# Altium PCB PCB2.PcbDoc (part 2 of 5)
Units mil, origin at the board's own origin, x right, y up, seen from the top; angles counter-clockwise.
Board outline 7251.01 x 4901 mil, 2 copper layers (Top Layer, Bottom Layer); 561 components, 222 nets, 3589 pads, 148 vias.
Unrouted connection lines stored in the file: 457.
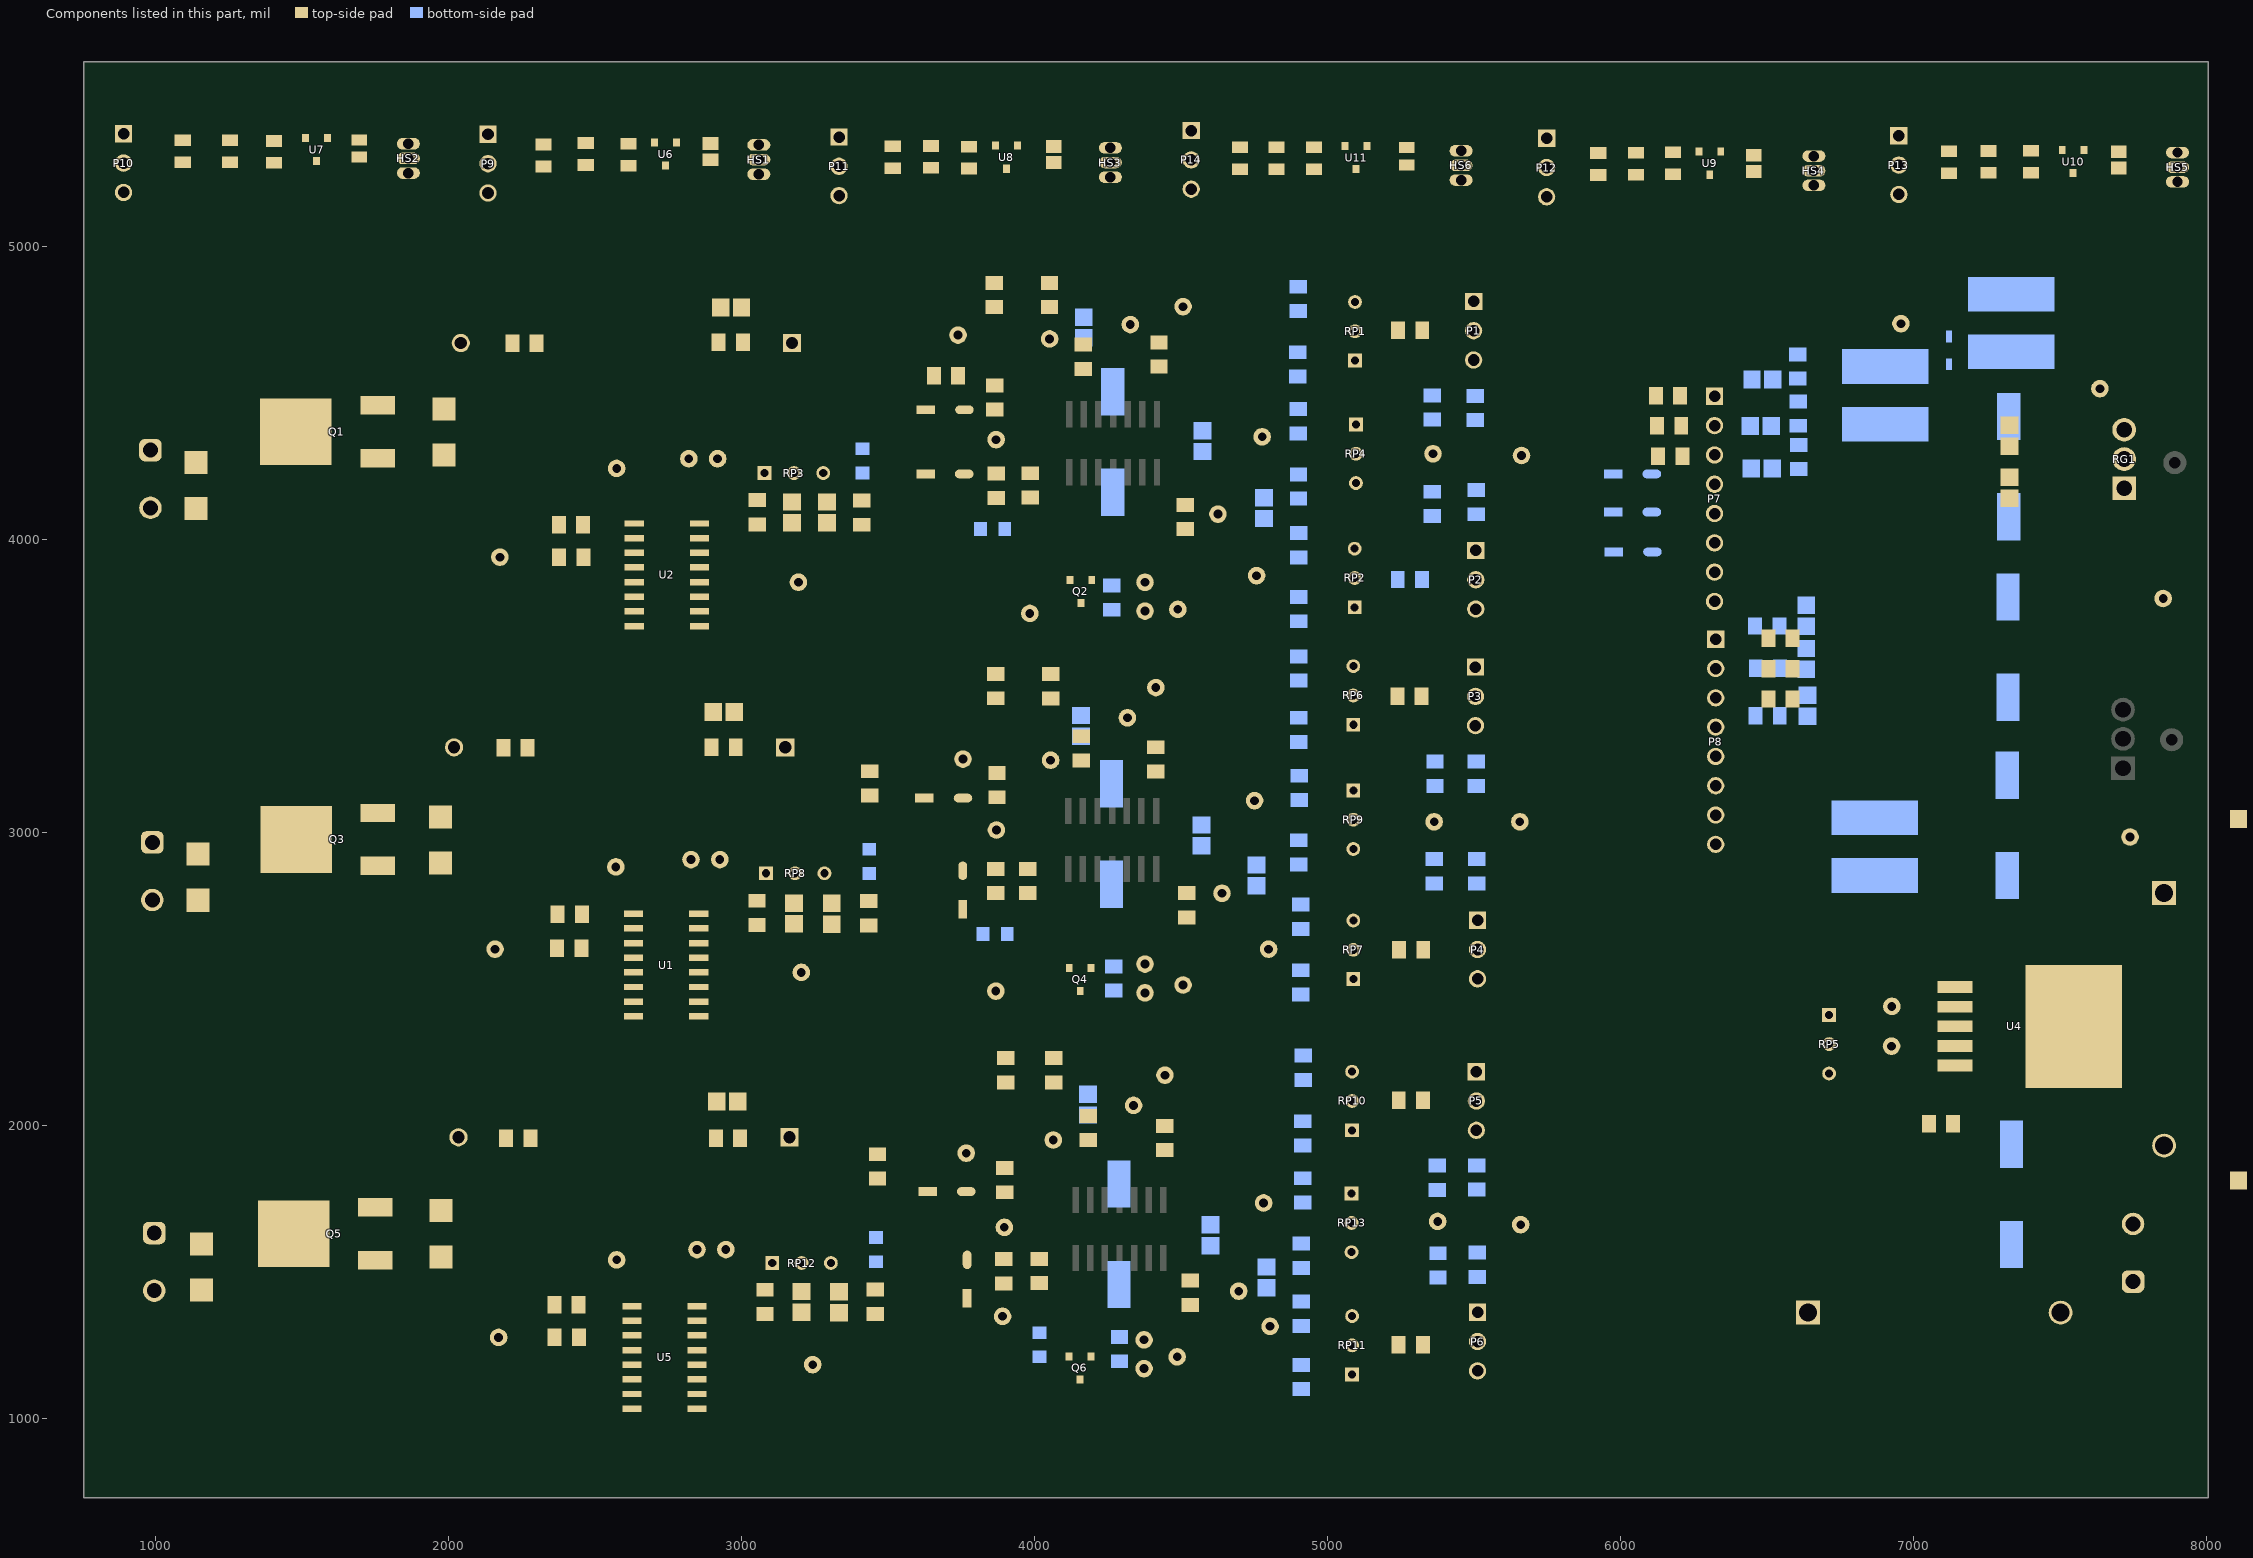
[diagram p2: the components of this part, seen from the top]

## Footprints (in the part's own frame and the unit in brackets; to place one, negate y for a bottom-side part, rotate by r counter-clockwise, add the part's x,y. Pads: shape width x height; smd on the part's side, far side on the other; paste and mask are expansions set on the pad) (continued)
Infineon_Technologies_PG-TO252-3_MFG [mm]
  rect 1.5x2.5 smd paste+0 mask+0: 1(-2.3,-4.575) 3(2.3,-4.575)
  rect 7x7 smd paste+0 mask+0: 4(0,2.325)
  silkscreen extent -3.36,-2.28 3.36,-1.55, body extent -3.61,-5.92 3.61,5.92, height 0.25
Jumper_2.54 [mil]
  round 60 hole 30: 1(0,0) 2(98.43,0)
  silkscreen extent -50,-50 150,50
KEMET_C0805C-DN_IPC_A [mil]
  rect 59.24x61.27 smd paste+0 mask+0: 1(-35.46,0) 2(35.46,0)
  silkscreen extent -65,-46 65,46, body extent -39,-25 39,25, height 35
KEMET_C0805C-DN_IPC_C [mil]
  rect 43.49x53.39 smd paste+0 mask+0: 1(-27.59,0) 2(27.59,0)
  silkscreen extent -49,-44 49,44, body extent -53,-32 53,32, height 10
KEMET_C0805C-DN_MFG [mm]
  rect 0.95x1.35 smd paste+0 mask+0: 1(-0.75,0) 2(0.75,0)
  silkscreen extent -1.1,-1.07 1.1,1.07, body extent -1.4,-0.85 1.4,0.85, height 0.25
Nexperia_TL431AQDBZR,215_0 [mm]
  rect 0.6x0.7 smd paste-1000 mask+0: 1(-0.95,-1) 2(0.95,-1) 3(0,1)
  silkscreen extent -1.45,-0.65 1.45,0.65, body extent -1.6,-1.45 1.6,1.45, height 0.25
ON_Semi_403D_MFG [mm]
  rect 2x2 smd paste+0 mask+0: 1(-2,0) 2(2,0)
  silkscreen extent -2.28,-1.46 2.28,1.46, body extent -3.1,-1.56 3.1,1.56, height 0.25
On_Semiconductor_369C_MFG [mm]
  rect 1.6x3 smd paste+0 mask+0: 1(-2.285,-4.3) 3(2.285,-4.3)
  rect 5.8x6.2 smd paste+0 mask+0: 4(0,2.79)
  silkscreen extent -3.36,-2.28 3.36,3.94, body extent -3.46,-5.9 3.46,5.99, height 0.25
ON_Semiconductor_936A-02_MFG [mm]
  rect 1.016x3.05 smd paste+0 mask+0: 1(-3.404,-6.485) 2(-1.702,-6.485) 3(0,-6.485) 4(1.702,-6.485) 5(3.404,-6.485)
  rect 10.66x8.38 smd paste+0 mask+0: 6(0,3.82)
  silkscreen extent -5.12,-8.72 5.12,-0.75, body extent -5.43,-8.11 5.43,8.11, height 0.25
RES_TUM5_OHM [mil]
  rect 62x62 hole 42 mask+0: 1(0,0)
  round 62 hole 42 mask+0: 2(1130,0)
  silkscreen extent 125,-200 1005,200, body extent -16,-195 1146,195, height 390
SOD2512X110N [mm]
  rect 1x0.5 smd: 1(-1.2,0) 2(1.2,0)
  silkscreen extent -1.7,-0.62 0.85,0.62, body extent -1.25,-0.63 1.25,0.63, height 1.1
Test_Point#1 [mil]
  round 60 hole 30: 1(0,0)
  Top Layer lines w10: 0,0 0,-15
  Top Layer lines w30: 0,30.93 cw(c0,0) 30.93,0 cw(c0,0) 30.91,-1 cw(c0,0) 27.04,-15 cw(c0,0) 0,30.93
  Bottom Layer lines w30: -30.9,0 cw(c0,0) -25.53,17.41 cw(c0,0) -23.43,20.15 cw(c0,0) -21.85,21.85 cw(c0,0) 30.9,0 ; -12.22,-10.19 ccw(c-38.41,4.45) -11.57,-8.97 ; 0,-30.9 ccw(c0,0) 30.9,-0.22
Test_Point#2 [mil]
  round 60 hole 30: 1(0,0)
  Top Layer lines w10: 0,-15 0,0
  Top Layer lines w30: 30.93,0 ccw(c0,0) 29.34,9.78 ccw(c0,0) -21.87,21.87 ccw(c0,0) 30.91,-1 ccw(c0,0) 30.93,0
  Bottom Layer lines w30: 30.9,-0.22 cw(c0,0) 1.24,-30.88 cw(c0,0) 0,-30.9 cw(c0,0) -1.5,-30.87 cw(c0,0) 1.5,30.87 cw(c0,0) 30.79,2.66 cw(c0,0) 30.9,0
Test_Point#3 [mil]
  round 60 hole 30: 1(0,0)
  Top Layer lines w10: 0,-15 0,0
  Top Layer lines w30: 30.93,0 cw(c0,0) 11.84,-28.57 cw(c0,0) 0,-30.93 cw(c0,0) -19.91,-23.67 cw(c0,0) -30.93,0 cw(c0,0) 30.93,0
  Bottom Layer lines w30: 30.9,-0.22 cw(c0,0) 30.76,-3 cw(c0,0) 30.9,0
Test_Point#4 [mil]
  round 60 hole 30: 1(0,0)
  Top Layer lines w10: 0,-15 0,0
  Top Layer lines w30: 30.93,0 cw(c0,0) 21.87,21.87 cw(c0,0) 28.04,13.04 cw(c0,0) 30.93,0
  Bottom Layer lines w30: 30.9,-0.22 cw(c0,0) -27.7,-13.7 cw(c0,0) -30.9,0 cw(c0,0) 13.7,27.7 cw(c0,0) 30.9,0
Test_Point#5 [mil]
  round 60 hole 30: 1(0,0)
  Top Layer circle w30: c0,0 r30.93
  Top Layer lines w10: 0,-15 0,0
  Bottom Layer lines w30: 30.9,-0.22 cw(c0,0) 5.74,-30.36 cw(c0,0) -21.85,-21.85 cw(c0,0) -30.45,5.26 cw(c0,0) 30.9,0
Test_Point#6 [mil]
  round 60 hole 30: 1(0,0)
  Top Layer circle w30: c0,0 r30.93
  Top Layer lines w10: 0,-15 0,0
  Bottom Layer lines w30: 30.9,-0.22 cw(c0,0) -1.5,-30.87 cw(c0,0) -27.81,-13.47 cw(c0,0) -30.9,0 cw(c0,0) -30.9,0.5 cw(c0,0) -1.5,30.87 cw(c0,0) 26.34,16.16 cw(c0,0) 30.9,0
Test_Point#7 [mil]
  round 60 hole 30: 1(0,0)
  Top Layer lines w30: 25.9,-16.9 cw(c0,0) 25.5,-17.5 cw(c0,0) 25,-18.2 cw(c0,0) 24.4,-19 cw(c0,0) 21.87,-21.87 cw(c0,0) 20,-23.59 cw(c0,0) 0.31,-30.92 cw(c0,0) 0,-30.93 cw(c0,0) -15,-27.04 cw(c0,0) -21.87,-21.87 ; 0,0 0.1,0 2.07,0 3.36,0 4.74,0 ; -21.87,-21.87 cw(c0,0) -21.88,-21.85 ; -21.88,-21.85 cw(c0,0) -23.53,-20.07 cw(c0,0) -30.93,0 cw(c0,0) -21.87,21.87 cw(c0,0) -15,27.04 cw(c0,0) -1.37,30.9 ; 6.21,-2.85 cw(c-12.98,3.71) 4.01,-7.37 ccw(c-12.98,3.71) 6.21,-2.85 ; 6.21,-2.85 ccw(c-12.98,3.71) 6.77,-0.92 ; 6.21,-2.85 ccw(c-12.98,3.71) 6.77,-0.92 ; 6.77,-0.92 ccw(c-12.98,3.71) 6.96,0 ; 6.77,-0.92 ccw(c-12.98,3.71) 6.96,0 ; 4.74,0 6.96,0 ; 4.74,0 6.96,0 ; 6.96,0 ccw(c-12.98,3.71) 7.02,0.31 ; 6.96,0 ccw(c-12.98,3.71) 7.02,0.31 ; 6.96,0 6.96,0 ; 6.96,0 8,0 6.96,0 ; 6.96,0 6.96,0 ; 6.96,0 6.96,0 ; 6.96,0 6.96,0 ; 6.96,0 6.96,0 ; 6.96,0 6.96,0 ; 7.02,0.31 ccw(c-12.98,3.71) 7.04,6.95 ; 7.02,0.31 ccw(c-12.98,3.71) 7.04,6.95 ; 7.04,6.95 ccw(c-12.98,3.71) 1.36,18.05 cw(c-12.98,3.71) 7.04,6.95 ; 15,27.04 cw(c0,0) 21.87,21.87 ccw(c0,0) 15,27.04 ; 14.99,27.05 cw(c0,0) 15,27.05 ; 14.99,27.05 cw(c0,0) 15,27.05 ; 14.99,27.05 ccw(c0,0) 10.36,29.14 ; 14.99,27.05 ccw(c0,0) 10.36,29.14 ; 15,27.05 ccw(c0,0) 10.36,29.14 ; 15,27.05 ccw(c0,0) 10.36,29.14 ; 10.36,29.14 ccw(c0,0) 1.31,30.9 ; 10.36,29.14 ccw(c0,0) 1.31,30.9 ; -1.37,30.9 cw(c0,0) 0,30.93 ; -1.37,30.9 cw(c0,0) 0,30.93 ; 1.31,30.9 ccw(c0,0) 0,30.93 ; 1.31,30.9 ccw(c0,0) 0,30.93 ; 8.99,-8.25 cw(c-18.26,-20.79) 8.99,-8.25
  Bottom Layer lines w30: -21.85,-21.85 cw(c0,0) -22,-21.7 cw(c0,0) -22.21,-21.49 cw(c0,0) -30.9,0 cw(c0,0) -22,21.7 cw(c0,0) -21.85,21.85 cw(c0,0) -4,30.64 cw(c0,0) -1.37,30.87 cw(c0,0) 0,30.9 cw(c0,0) 10.91,28.91 cw(c0,0) 15,27.02 ; 30.9,-0.22 cw(c0,0) 21.85,-21.85 cw(c0,0) 21.83,-21.88 cw(c0,0) 15,-27.02 cw(c0,0) 1.77,-30.85 cw(c0,0) -21.83,-21.88 ; -21.83,-21.88 cw(c0,0) -21.85,-21.85 ; 30.9,0 ccw(c0,0) 15,27.02 ; 30.9,0 ccw(c0,0) 15,27.02 ; 30.9,0 ccw(c0,0) 15,27.02 ; 30.9,0 ccw(c0,0) 15,27.02
Test_Point#8 [mil]
  round 60 hole 30: 1(0,0)
  Top Layer lines w10: 0,-15 0,-11.5
  Top Layer lines w30: 30.93,0 ccw(c0,0) -5.74,30.39 ccw(c0,0) -20.67,23 ccw(c0,0) -30.73,3.5 ccw(c0,0) -30.93,0 ccw(c0,0) -21.87,-21.87 ccw(c0,0) 0,-30.93 ccw(c0,0) 0.5,-30.92 ccw(c0,0) 1,-30.91 ccw(c0,0) 4,-30.67 ccw(c0,0) 30.93,0
  Bottom Layer lines w30: 30.9,-0.22 cw(c0,0) -30.8,2.5 cw(c0,0) -5.74,30.36 cw(c0,0) 30.9,0
Test_Point#9 [mil]
  round 60 hole 30: 1(0,0)
  Top Layer lines w10: 0,-15 0,-4 0,0
  Top Layer lines w30: 0,-30.93 ccw(c0,0) -30.93,0 ccw(c0,0) -30.67,-4 ccw(c0,0) 0,-30.93
  Bottom Layer lines w30: 30.9,-0.22 cw(c0,0) 30.74,-3.12 cw(c0,0) 0,-30.9 cw(c0,0) -5.74,-30.36 cw(c0,0) 30.9,0
Test_Point#10 [mil]
  round 60 hole 30: 1(0,0)
  Top Layer lines w10: 0,0 0,-15
  Top Layer lines w30: -28.04,13.04 cw(c0,0) -28,13.13 cw(c0,0) -27.92,13.29 cw(c0,0) -27.88,13.38 cw(c0,0) -25.96,16.8 cw(c0,0) -22.7,21 ; -27.87,13.29 ccw(c13.87,-6.12) -27.88,13.27 ccw(c13.87,-6.12) -27.98,13.04 ccw(c13.87,-6.12) -28,13 ccw(c13.87,-6.12) -31.53,1.44 ccw(c13.87,-6.12) -31.75,0 ccw(c13.87,-6.12) -31.83,-0.6 ccw(c13.87,-6.12) -31.93,-1.5 ccw(c13.87,-6.12) -32.06,-3.06 ccw(c13.87,-6.12) -28.07,-25.07 ccw(c13.87,-6.12) -28,-25.24 ccw(c13.87,-6.12) -24.9,-30.93 ; 0,-30.93 ccw(c0,0) 21.87,-21.87 ccw(c0,0) 28,-13.13 ccw(c0,0) 30.88,-1.63 ccw(c0,0) 30.93,0 ccw(c0,0) 28,13.13 ccw(c0,0) 22.7,21 ccw(c0,0) -19.87,23.7 ccw(c0,0) -20.2,23.42 ccw(c0,0) -21.87,21.87 ccw(c0,0) -22.08,21.65 ; -24.9,-30.93 ccw(c13.87,-6.12) -18.68,-38.66 ; -24.9,-30.93 ccw(c13.87,-6.12) -18.68,-38.66 ; -24.9,-30.93 ccw(c13.87,-6.12) -18.68,-38.66 ; -24.9,-30.93 ccw(c13.87,-6.12) -18.68,-38.66 ; -24.32,-30.93 cw(c3.19,-16.79) -26.97,-23.64 cw(c41.72,-8.06) -28,-18.07 cw(c41.72,-8.06) -28.41,-1.5 cw(c41.72,-8.06) -28.25,0 cw(c41.72,-8.06) -28.07,1.44 cw(c41.72,-8.06) -28,1.95 cw(c41.72,-8.06) -25.48,13.04 cw(c41.72,-8.06) -25.02,14.46 cw(c41.72,-8.06) -23.54,18.43 cw(c41.72,-8.06) -23.02,19.7 cw(c41.72,-8.06) -22.38,21.14 ; -24.32,-30.93 ccw(c3.19,-16.79) -18.68,-38.66 ; -24.32,-30.93 ccw(c3.19,-16.79) -18.68,-38.66 ; -24.32,-30.93 ccw(c3.19,-16.79) -18.68,-38.66 ; -24.32,-30.93 ccw(c3.19,-16.79) -18.68,-38.66 ; -22.7,21 cw(c0,0) -22.2,21.53 ; -22.7,21 cw(c0,0) -22.2,21.53 ; -22.7,21 cw(c0,0) -22.2,21.53 ; -22.7,21 cw(c0,0) -22.2,21.53 ; -22.38,21.14 cw(c41.72,-8.06) -22.2,21.53 ; -22.38,21.14 cw(c41.72,-8.06) -22.2,21.53 ; -22.38,21.14 cw(c41.72,-8.06) -22.2,21.53 ; -22.38,21.14 cw(c41.72,-8.06) -22.2,21.53 ; -22.19,21.54 cw(c0,0) -22.19,21.55 ; -22.19,21.55 cw(c0,0) -22.09,21.64 ; -22.2,21.53 cw(c41.72,-8.06) -22.15,21.64 ; -22.2,21.53 cw(c41.72,-8.06) -22.15,21.64 ; -22.2,21.53 cw(c41.72,-8.06) -22.15,21.64 ; -22.2,21.53 cw(c41.72,-8.06) -22.15,21.64 ; -22.2,21.53 cw(c0,0) -22.19,21.54 ; -22.2,21.53 cw(c0,0) -22.19,21.54 ; -22.2,21.53 cw(c0,0) -22.19,21.54 ; -22.2,21.53 cw(c0,0) -22.19,21.54 ; -22.09,21.64 cw(c0,0) -22.08,21.65
  Bottom Layer lines w30: 30.9,0 ccw(c0,0) 15,27.02 ccw(c0,0) 0,30.9 ccw(c0,0) -22.67,21 ccw(c0,0) -30.9,0 ccw(c0,0) -30.13,-6.87 ccw(c0,0) -25.88,-16.88 ccw(c0,0) -21.85,-21.85 ccw(c0,0) -15.03,-27 ccw(c0,0) 15,-27.02 ccw(c0,0) 30.9,-0.22
Test_Point#11 [mil]
  round 60 hole 30: 1(0,0)
  Top Layer lines w10: 0,-15 0,-9 0,-0.57 0,0
  Top Layer lines w30: 12.02,28.5 cw(c0,0) 15,27.04 cw(c0,0) 24.59,18.75 cw(c0,0) 30.93,0 cw(c0,0) 30.91,-1 cw(c0,0) 21.87,-21.87 cw(c0,0) 21.58,-22.15 cw(c0,0) 16.9,-25.9 cw(c0,0) 15,-27.04 cw(c0,0) 9,-29.59 cw(c0,0) 8,-29.87 cw(c0,0) 7,-30.12 cw(c0,0) 4.65,-30.58 cw(c0,0) 4,-30.67 cw(c0,0) 0,-30.93 cw(c0,0) -30.93,0 cw(c0,0) -12.02,28.5 cw(c0,0) -11,28.9 cw(c0,0) -6,30.34 cw(c0,0) -5,30.52 cw(c0,0) -4,30.67 cw(c0,0) -3.7,30.7 cw(c0,0) 0,30.93 cw(c0,0) 0.5,30.92 cw(c0,0) 2.37,30.84 cw(c0,0) 12,28.5 ; 12,28.5 cw(c0,0) 12.02,28.5
  Bottom Layer lines w30: 30.9,-0.22 cw(c0,0) 22,-21.7 cw(c0,0) 21.85,-21.85 cw(c0,0) 15,-27.02 cw(c0,0) 14,-27.55 cw(c0,0) 9,-29.56 cw(c0,0) 8,-29.85 cw(c0,0) 7,-30.1 cw(c0,0) 0,-30.9 cw(c0,0) -21.85,-21.85 cw(c0,0) -30.89,-1 cw(c0,0) -30.9,0 cw(c0,0) -4.85,30.52 cw(c0,0) 0,30.9 cw(c0,0) 15,27.02 cw(c0,0) 22,21.7 cw(c0,0) 30.9,0
Test_Point#12 [mil]
  round 60 hole 30: 1(0,0)
  Top Layer lines w10: 0,-15 0,0
  Top Layer lines w30: 0,-30.93 ccw(c0,0) 0.69,-30.92 ccw(c0,0) 5.58,-30.42 ccw(c0,0) 30.93,0 ccw(c0,0) 0,-30.93
  Bottom Layer lines w30: 30.9,-0.22 cw(c0,0) 0,-30.9 cw(c0,0) 30.9,0
Test_Point#13 [mil]
  round 60 hole 30: 1(0,0)
  Top Layer lines w10: 0,-15 0,0
  Top Layer lines w30: 0,-30.93 cw(c0,0) -15.55,-26.73 cw(c0,0) -30.93,0 cw(c0,0) 0,-30.93
  Bottom Layer lines w30: 30.9,-0.22 cw(c0,0) 30.9,0
Test_Point#14 [mil]
  round 60 hole 30: 1(0,0)
  Top Layer lines w10: 0,-15 0,0
  Top Layer lines w30: 0,-30.93 cw(c0,0) 19.26,24.2 cw(c0,0) 30.93,0 cw(c0,0) 14.97,-27.06 cw(c0,0) 0,-30.93
  Bottom Layer lines w30: 30.9,-0.22 cw(c0,0) 0,-30.9 cw(c0,0) -30.9,0 cw(c0,0) 30.9,0
Test_Point#15 [mil]
  round 60 hole 30: 1(0,0)
  Top Layer lines w10: 0,0 0,-15
  Top Layer lines w30: 21.87,21.87 ccw(c0,0) 0.5,30.92 ccw(c0,0) -4.06,30.66 ccw(c0,0) -28.04,13.04 ccw(c0,0) -30.93,0 ccw(c0,0) -30.92,-0.5 ccw(c0,0) -30,-7.51 ccw(c0,0) -27.04,-15 ccw(c0,0) 0,-30.93 ; 21.87,21.87 cw(c0,0) 30.92,-0.5 ; 21.87,21.87 cw(c0,0) 30.92,-0.5 ; 30.92,-0.5 cw(c0,0) 0,-30.93 ; 30.92,-0.5 cw(c0,0) 0,-30.93
  Bottom Layer lines w30: -28.02,13.03 cw(c0,0) -24.08,19.37 cw(c0,0) -21.85,21.85 cw(c0,0) -4.04,30.64 cw(c0,0) 0,30.9 cw(c0,0) 21.85,21.85 cw(c0,0) 30.9,0 ; -28.02,13.02 ccw(c0,0) -30.9,0 ccw(c0,0) -30.9,-0.5 ccw(c0,0) -27.02,-15 ccw(c0,0) 0,-30.9 ; 21.85,-21.85 cw(c0,0) 0,-30.9 ; 21.85,-21.85 cw(c0,0) 0,-30.9 ; 21.85,-21.85 ccw(c0,0) 30.9,-0.22 cw(c0,0) 21.85,-21.85
Test_Point#16 [mil]
  round 60 hole 30: 1(0,0)
  Top Layer lines w10: 0,0 0,-15
  Top Layer lines w30: 0,30.93 cw(c0,0) 1.5,30.89 cw(c0,0) 30.91,1 cw(c0,0) 0,-30.93 cw(c0,0) -0.36,-30.92 cw(c0,0) -0.5,30.92 cw(c0,0) 0,30.93
  Bottom Layer lines w30: 30.9,0 ccw(c0,0) 3.7,30.68 ccw(c0,0) 30.9,-0.22
Test_Point#17 [mil]
  round 60 hole 30: 1(0,0)
  Top Layer circle w30: c0,0 r30.93
  Top Layer lines w10: 0,-15 0,0
  Bottom Layer lines w30: 30.9,-0.22 cw(c0,0) 30.64,-4 cw(c0,0) 29.29,-9.85 cw(c0,0) -30.9,0 cw(c0,0) -30.2,6.56 cw(c0,0) 30.9,0
Test_Point#18 [mil]
  round 60 hole 30: 1(0,0)
  Top Layer lines w10: 0,-15 0,0
  Top Layer lines w30: 0,-30.93 ccw(c0,0) 30.93,0 ccw(c0,0) 0,30.93 ccw(c0,0) -30.93,0 ccw(c0,0) -9.18,-29.53 ccw(c0,0) 0,-30.93
  Bottom Layer lines w30: 30.9,-0.22 cw(c0,0) 0,30.9 cw(c0,0) 29.87,7.91 cw(c0,0) 30.9,0
Test_Point#19 [mil]
  round 60 hole 30: 1(0,0)
  Top Layer lines w10: 0,-15 0,0
  Top Layer lines w30: 0,-30.93 ccw(c0,0) 1,-30.91 ccw(c0,0) 8.17,-29.83 ccw(c0,0) 22.81,-20.89 ccw(c0,0) 30.93,0 ccw(c0,0) 30.34,6 ccw(c0,0) -0.37,-30.92 ccw(c0,0) 0,-30.93
  Bottom Layer lines w30: 30.9,-0.22 cw(c0,0) 23.08,-20.55 cw(c0,0) -2,-30.84 cw(c0,0) 30.9,0
Test_Point#20 [mil]
  round 60 hole 30: 1(0,0)
  Top Layer lines w30: 0,-30.93 ccw(c0,0) -30.86,2 ccw(c0,0) -21.32,-22.4 ccw(c0,0) 0,-30.93
  Bottom Layer lines w30: 30.9,-0.22 cw(c0,0) 15,-27.02 cw(c0,0) 2,-30.84 cw(c0,0) 0,-30.9 cw(c0,0) -13,-28.03 cw(c0,0) 15,27.02 cw(c0,0) 30.9,0
Test_Point#21 [mil]
  round 60 hole 30: 1(0,0)
  Top Layer lines w10: 0,-15 0,0
  Top Layer lines w30: 0,-30.93 ccw(c0,0) 1,30.91 ccw(c0,0) 0,-30.93
  Bottom Layer lines w30: 30.9,-0.22 cw(c0,0) 0,-30.9 cw(c0,0) -2,-30.84 cw(c0,0) -2,30.84 cw(c0,0) 21.85,21.85 cw(c0,0) 30.9,0
Test_Point#22 [mil]
  round 60 hole 30: 1(0,0)
  Top Layer lines w30: 0,-30.93 ccw(c0,0) -21.87,-21.87 ccw(c0,0) 0,-30.93
  Bottom Layer lines w30: 30.9,-0.22 cw(c0,0) 30.87,-1.5 cw(c0,0) 28.03,-13 cw(c0,0) 21.85,-21.85 cw(c0,0) -30.9,0 cw(c0,0) 0,30.9 cw(c0,0) 30.9,0
Test_Point#23 [mil]
  round 60 hole 30: 1(0,0)
  Top Layer lines w10: 0,-15 0,0
  Top Layer lines w30: 0,-30.93 ccw(c0,0) 13.29,-27.93 ccw(c0,0) 30.93,0 ccw(c0,0) 0,-30.93
  Bottom Layer lines w30: 30.9,-0.22 cw(c0,0) 26.26,-16.28 cw(c0,0) 0,-30.9 cw(c0,0) 30.9,0
Test_Point#24 [mil]
  round 60 hole 30: 1(0,0)
  Top Layer lines w10: 0,0 0,-15
  Bottom Layer lines w30: 30.9,0 ccw(c0,0) -30.88,-1.13 ; 30.9,-0.22 cw(c0,0) -30.69,-3.63 cw(c0,0) -30.88,-1.16 ; -30.88,-1.16 cw(c0,0) -30.88,-1.13
Test_Point#25 [mil]
  round 60 hole 30: 1(0,0)
  Top Layer lines w10: 0,-15 0,0
  Top Layer lines w30: 0,-30.93 cw(c0,0) -30.91,1 cw(c0,0) 0,-30.93
  Bottom Layer lines w30: 30.9,-0.22 cw(c0,0) 30.9,0
Test_Point#26 [mil]
  round 60 hole 30: 1(0,0)
  Top Layer lines w10: 0,-15 0,0
  Top Layer lines w30: 0,-30.93 cw(c0,0) -30.52,5 cw(c0,0) -21.66,22.07 cw(c0,0) 0,30.93 cw(c0,0) 0.39,30.92 cw(c0,0) 30.93,0 cw(c0,0) 0.63,-30.92 cw(c0,0) 0,-30.93
  Bottom Layer lines w30: 30.9,-0.22 cw(c0,0) 26.46,-15.97 cw(c0,0) 0,-30.9 cw(c0,0) 0,30.9 cw(c0,0) 30.9,0
Test_Point#27 [mil]
  round 60 hole 30: 1(0,0)
  Top Layer lines w10: 0,-15 0,0
  Top Layer lines w30: -0.19,-30.93 cw(c0,0) 30.91,-1 cw(c0,0) 0,-30.93 cw(c0,0) -0.19,-30.93
  Bottom Layer lines w30: 30.9,-0.22 cw(c0,0) -5.74,-30.36 cw(c0,0) 30.9,0
Test_Point#28 [mil]
  round 60 hole 30: 1(0,0)
  Top Layer lines w10: 0,0 0,-15
  Top Layer lines w30: -30.93,0 ccw(c0,0) 0,30.93 ccw(c0,0) -30.93,0
  Bottom Layer lines w30: 30.9,0 ccw(c0,0) -30.9,0 ccw(c0,0) 30.9,-0.22
Test_Point#29 [mil]
  round 60 hole 30: 1(0,0)
  Top Layer lines w10: 0,-15 0,0
  Top Layer lines w30: 0,-30.93 ccw(c0,0) -0.29,30.92 ccw(c0,0) -2,30.86 ccw(c0,0) 0,-30.93
  Bottom Layer lines w30: 30.9,-0.22 cw(c0,0) 0,-30.9 cw(c0,0) -2,-30.84 cw(c0,0) -4,-30.64 cw(c0,0) -4,30.64 cw(c0,0) 30.9,0
Test_Point#30 [mil]
  round 60 hole 30: 1(0,0)
  Top Layer lines w10: 0,-15 0,0
  Top Layer lines w30: 0,-30.93 cw(c0,0) -1.5,-30.89 cw(c0,0) 0,30.93 cw(c0,0) 3.13,30.77 cw(c0,0) 30.67,4 cw(c0,0) 7.76,-29.94 cw(c0,0) 0.5,-30.92 cw(c0,0) 0,-30.93
  Bottom Layer lines w30: 30.9,-0.22 cw(c0,0) 30.9,0
Test_Point#31 [mil]
  round 60 hole 30: 1(0,0)
  Top Layer lines w10: 0,-15 0,0
  Top Layer lines w30: 0,-30.93 ccw(c0,0) -25.55,-17.43 ccw(c0,0) 0,-30.93
  Bottom Layer lines w30: 30.9,-0.22 cw(c0,0) 25.53,17.41 cw(c0,0) 28.48,12 cw(c0,0) 30.76,3 cw(c0,0) 30.9,0
Test_Point#32 [mil]
  round 60 hole 30: 1(0,0)
  Top Layer lines w10: 0,-15 0,0
  Top Layer lines w30: 0,-30.93 ccw(c0,0) 1.63,-30.88 ccw(c0,0) 21.87,-21.87 ccw(c0,0) 30.86,-2 ccw(c0,0) 30.91,1 ccw(c0,0) 0.26,30.92 ccw(c0,0) 0,30.93 ccw(c0,0) -30.71,3.64 ccw(c0,0) -30.91,1 ccw(c0,0) -30.93,0.07 ccw(c0,0) -30.93,0 ccw(c0,0) -30.53,-4.91 ccw(c0,0) -21.87,-21.87 ccw(c0,0) -1.08,-30.91 ccw(c0,0) -0.57,-30.92 ccw(c0,0) 0,-30.93
  Bottom Layer lines w30: 30.9,-0.22 cw(c0,0) 4,-30.64 cw(c0,0) 1.9,-30.84 cw(c0,0) 0,-30.9 cw(c0,0) -1.2,-30.88 cw(c0,0) 30.9,0
Test_Point#33 [mil]
  round 60 hole 30: 1(0,0)
  Top Layer lines w10: 0,-15 0,-8 0,0
  Top Layer lines w30: 0,-30.93 ccw(c0,0) 17.43,25.55 ccw(c0,0) 1.37,30.9 ccw(c0,0) -30.93,0 ccw(c0,0) -30.67,-4 ccw(c0,0) -29.87,-8 ccw(c0,0) 0,-30.93
  Bottom Layer lines w30: 30.9,-0.22 cw(c0,0) 5.74,-30.36 cw(c0,0) 30.9,0
Test_Point#34 [mil]
  round 60 hole 30: 1(0,0)
  Top Layer lines w10: 0,-15 0,0
  Top Layer lines w30: 0,-30.93 ccw(c0,0) 0,30.93 ccw(c0,0) -13.83,27.66 ccw(c0,0) -30.93,0 ccw(c0,0) 0,-30.93
  Bottom Layer lines w30: 30.9,-0.22 cw(c0,0) 30.9,0
Test_Point#35 [mil]
  round 60 hole 30: 1(0,0)
  Top Layer circle w30: c0,0 r30.93
  Top Layer lines w10: 0,0 0,-15
  Bottom Layer lines w30: 30.9,0 ccw(c0,0) 30.9,-0.22
TO229P991X239-3_4N [mm] "TO,2.29mm pitch;3 pin,9.905mm L X 6.095mm W X 2.39mm H body"
  rect 2.85x1 smd paste+0 mask+0: 1(-4.15,2.29) 3(-4.15,-2.29)
  rect 6.1x4.5 smd paste+0 mask+0: 4(2.5,0)
  silkscreen extent -5.42,-3.25 -0.9,3.42, body extent -4.96,-3.27 4.96,3.27, height 2.4
TO-92A [mm] "TO, Flat Index; 3 In-Line, Axial Leads; Body Dia. 4.5mm; Leads 0.51 x 0.48 mm (max)"
  oval 2x1 hole 0.9: 1(0,-1.27) 2(0,0) 3(0,1.27)
  silkscreen extent -2.48,-2.95 1.5,2.48, body extent -2.48,-2.5 1.5,2.5, height 6.86
Vishay_CRCW0805-e3_IPC_A [mil]
  rect 47.5x59.38 smd paste+0 mask+0: 1(-41.37,0) 2(41.37,0)
  silkscreen extent -3,-25 3,25, body extent -85,-49 85,49, height 10
Vishay_CRCW0805-e3_IPC_B [mil]
  rect 39.63x55.44 smd paste+0 mask+0: 1(-37.44,0) 2(37.44,0)
  silkscreen extent -3,-25 3,25, body extent -67,-38 67,38, height 10
Vishay_S8-V-3910_01-001_IPC_A [mil]
  rect 63.27x30.01 smd paste+0 mask+0: 1(-65.97,0)
  rrect100% 63.27x30.01 smd paste+0 mask+0: 2(65.97,0)
  silkscreen extent -93,-31 53,52, body extent -117,-50 117,50, height 10
WE-PD2-L [mm] "SMD Inductor, 2-Leads, Body 7.8 x 7.0 mm"
  rect 3x7.5 smd: 1(-2.5,0) 2(2.5,0)
  silkscreen extent -0.87,-3.5 0.87,3.5, body extent -3.81,-3.5 3.81,3.5, height 4.89
Wurth_Electronics_0_MFG [mm]
  rect 1.1x1.2 smd paste+0 mask+0: 1(-1.05,0) 2(1.05,0)
  silkscreen extent -2.27,-0.67 0.13,0.67, body extent -1,-0.63 1,0.63, height 0.8

## Part data
C1 C4 C5 C9 C10 C13 C14 C15 C17 C18 C19 C20 C21 C23 C24 C25 C26 C27 C28 C29 C30 C37 C38 C39 C40 C41 C42 C43 C47 C48 C49 C53 C54 C55 C56 C57 C59 C60 C64 C65 C67 C68 C72 C74 C75 C76 C78 C79: library part C0805C104J4RACTU
C2 C3 C44 C46: library part "Cap Pol2", "Polarized Capacitor (Axial)", LatestRevisionDate=17-Jul-2002, LatestRevisionNote="Re-released for DXP Platform.", PackageDescription="Polarized Capacitor; 2 Leads", PackageReference=POLAR0.8, Published=8-Jun-2000, Publisher="Altium Limited"
C6 C7 C8 C11 C12 C16 C22: "Capacitor Polarised", Manufacturer_Name=Panasonic, Datasheet Link=http://industrial.panasonic.com/cdbs/www-data/pdf/RDE0000/ABA0000C1142.pdf, Manufacturer_Part_Number=EEE1HA101AP
C31 C32 C33 C34 C35 C36 C61 C62 C63 C69 C70 C71: library part C0805C104J4RACTU, "100pF"
CR1 CR2 CR3 CR4: "No Description Available", Mfr_Name=STMicroelectronics, Copyright="Copyright (C) 2022 Ultra Librarian. All rights reserved.", Manufacturer_Part_Number=1N5822RL, RefDes=RefDes, Type=DEV
D4 D5 D10 D11 D17 D18 D24 D28 D30 D32 D34 D36: "Typical RED, GREEN, YELLOW, AMBER GaAs LED", LatestRevisionDate=17-Jul-2002, LatestRevisionNote="Re-released for DXP Platform.", PackageDescription="SM LED; 2 Flat Leads", PackageReference=3.2X1.6X1.1, PackageVersion=Feb-2002, Published=8-Jun-2000, Publisher="Altium Limited"
J1: library part 691101710002, "WR-TBL Series 101 Horizontal Entry Modular, Through Hole, pitch 5mm, 2p", Manufacturer="Wurth Elektronik", Operating Temperature Max=105°C, Operating Temperature Min=-40°C, Rated Current=16A, Working Voltage=250V, Application="Pressure Clamp", Category="Terminal Blocks", ComponentLink1Description="Manufacturer Link", ComponentLink1URL=https://www.we-online.com/redexpert/article/691101710002?ad, ComponentLink2Description=Datasheet, ComponentLink2URL=https://www.we-online.com/redexpert/spec/691101710002?ad, Manufacturer Part Number=691101710002, Match Code=WR-TBL, Modularity=Yes, Mount="Through Hole", Orientation=Horizontal, Packaging=Box, PCB/Cable/Panel=PCB, Pin Number=2, Pitch=5mm
J2 J4 J5: "WR-TBL Series 101 Horizontal Entry Modular, Through Hole, pitch 5mm, 2p", Manufacturer="Wurth Elektronik", Operating Temperature Max=105°C, Operating Temperature Min=-40°C, Rated Current=16A, Working Voltage=250V, Application="Pressure Clamp", Category="Terminal Blocks", ComponentLink1Description="Manufacturer Link", ComponentLink1URL=https://www.we-online.com/redexpert/article/691101710002?ad, ComponentLink2Description=Datasheet, ComponentLink2URL=https://www.we-online.com/redexpert/spec/691101710002?ad, Manufacturer Part Number=691101710002, Match Code=WR-TBL, Modularity=Yes, Mount="Through Hole", Orientation=Horizontal, Packaging=Box, PCB/Cable/Panel=PCB, Pin Number=2, Pitch=5mm
L1 L2 L3: "SMD-Power Inductor WE-PD4, L = 100 µH", Inductance="100 ÂµH", ComponentLink1Description="Manufacturer Link", ComponentLink1URL=http://www.we-online.com, ComponentLink2Description=Datasheet, ComponentLink2URL=http://www.we-online.de/katalog/media/pdf/7445720.pdf, DatasheetVersion="ver 1, Oct-2004", PackageDescription="SMD Inductor, 2-Leads, Body 22.0 x 15.0 mm", PackageReference=WE-PD4-XL, PackageVersion=2004, PartNumber=7445720
P1 P2 P3 P4 P5 P6 P9 P10 P11 P12 P13 P14: "WR-WTB THT Male Vertical Locking Header, pitch 2.54mm, 3p", Contact Resistance=20mOhm, Operating Temperature="-40 to +105degC", Rated Current=3A, Withstanding Voltage=1000VAC, Working Voltage=250VAC, ComponentLink1Description=Manufacturer, ComponentLink1URL=http://www.we-online.de, ComponentLink2Description=Datasheet, ComponentLink2URL=https://www.we-online.com/catalog/datasheet/61900311121.pdf, Gender=Male, Mounting Technology=THT, Packaging=Bag, Part Number=61900311121, Pin Number=3, Pitch=2.54mm, Published Date="January 2020", Publisher="Wurth Elektronik", Type=Vertical
P7 P8: "WR-WTB THT Male Vertical Locking Header, pitch 2.54mm, 8p", Contact Resistance=20mOhm, Operating Temperature="-40 to +105degC", Rated Current=3A, Withstanding Voltage=1000VAC, Working Voltage=250VAC, ComponentLink1Description=Manufacturer, ComponentLink1URL=http://www.we-online.de, ComponentLink2Description=Datasheet, ComponentLink2URL=https://www.we-online.com/catalog/datasheet/61900811121.pdf, Gender=Male, Mounting Technology=THT, Packaging=Bag, Part Number=61900811121, Pin Number=8, Pitch=2.54mm, Published Date="January 2020", Publisher="Wurth Elektronik", Type=Vertical
Q2 Q4 Q6: "Transistor BJT NPN", Manufacturer_Name=Nexperia, Mouser Part Number=771-BC847B-T/R, Arrow Part Number=BC847B,215, Arrow Price/Stock=https://www.arrow.com/en/products/bc847b215/nexperia?region=nac, Datasheet Link=https://assets.nexperia.com/documents/data-sheet/BC847_SER.pdf, Height=1.1mm, Manufacturer_Part_Number=BC847B,215, Mouser Price/Stock=https://www.mouser.co.uk/ProductDetail/Nexperia/BC847B215?qs=me8TqzrmIYXXIdUoxWnHgw%3D%3D
Q8 Q11 Q14: "Insulated-Gate Field-Effect Transistor (IGFET), P-Channel, Enhancement,  Body Diode, Pin 1 Gate,  3 Source, 4 Drain, 3Pins", Manufacturer="Infineon Technologies", Manufacturer Order Number=IRFR9024N, PackageReference=PG-TO252-3-901
R1 R4 R5 R6 R9 R12 R13 R14 R15 R17 R19 R21 R27 R28 R31 R32 R36 R39 R40 R41 R42 R48 R54 R55 R58 R62 R65 R66 R67 R68 R74 R92 R93 R94 R119 R120 R121 R122 R123 R124 R130 R131 R138 R139 R140 R141 R145 R148 R150 R159 R160 R161 R162 R163 R166 R171 R172 R179 R180 R181 R185 R195 R197 R212 R213 R216 R220 R221 R225 R226 R227 R228 R235 R237: library part CRCW08050000Z0EA
R2 R16 R29 R43 R44 R56 R69 R142 R164 R186 R214 R229: library part CRCW08050000Z0EA, "9.1k"
R3 R8 R10 R11 R18 R23 R25 R30 R33 R35 R37 R38 R45 R46 R50 R52 R57 R59 R61 R63 R64 R71 R72 R76 R78 R101 R102 R103 R104 R105 R106 R107 R108 R109 R110 R111 R112 R113 R114 R115 R116 R117 R118 R127 R129 R132 R136 R137 R143 R152 R154 R165 R167 R168 R170 R173 R174 R175 R176 R177 R178 R182 R183 R184 R187 R189 R190 R191 R192 R199 R201 R202 R203 R204 R206 R207 R208 R209 R210 R211 R215 R217 R219 R222 R223 R224 R230 R232 R239 R241: library part CRCW08050000Z0EA, "10k"
R7 R20 R26 R34 R47 R53 R60 R73 R79 R83 R84 R85 R88 R97 R100 R128 R133 R134 R135 R147 R149 R158 R169 R194 R196 R205 R218 R234 R236 R242: library part CRCW08050000Z0EA, "1k"
R22 R49 R75 R151 R198 R238: library part CRCW08050000Z0EA, "51k"
R24 R51 R70 R77 R80 R81 R82 R86 R89 R90 R91 R95 R98 R125 R126 R144 R153 R155 R156 R157 R188 R200 R231 R240: library part CRCW08050000Z0EA, "7.5k"
R87 R96 R99: library part TUW5JR10E, "No Description Available", Mfr_Name=Ohmite, Copyright="Copyright (C) 2022 Ultra Librarian. All rights reserved.", Manufacturer_Part_Number=TUW5JR10E, RefDes=RefDes, Type=DEV
RG1: "REG IC REG LINEAR 5V 1A TO220AB", Current-Output=1A, Digikey Part Number=LM7805CT-ND, Manufacturer=Fairchild, Mouser Part Number=512-LM7805CT, Package=TO220, Part Number=LM7805CT, Temperature="-40°C to +125°C", Temperature Range High=+125°C, Temperature Range Low=-40°C, Voltage - Input (Max)=35V, Voltage - Output=5V, Voltage Dropout (Max)="2V @ 1A (Typ)", ComponentLink1Description=Upverter, ComponentLink1URL=https://upverter.com/upn/revision/b27a7358b7dd93a3/, ComponentLink2Description=Datasheet, ComponentLink2URL=https://www.fairchildsemi.com/datasheets/LM/LM7805.pdf, Digikey Description="REG IC REG LINEAR 5V 1A TO220AB", helpURL=https://upverter.com/upn/revision/b27a7358b7dd93a3/, Ipc Land Pattern Name=TO-220, Lead Free=yes, Price=0.384521982769, RoHS=TRUE, Supplier 1=Digi-Key, Supplier 2=Mouser, Supplier Part Number 1=LM7805CT-ND, Supplier Part Number 2=512-LM7805CT
RP1 RP2 RP3 RP4 RP5 RP6 RP7 RP8 RP9 RP10 RP11 RP12 RP13 RP14 RP15 RP16 RP17 RP18 RP19 RP20 RP21 RP22 RP23 RP24 RP25 RP26: library part 3296W-1-202LF
TP1 TP2 TP3 TP4 TP5 TP6 TP7 TP8 TP9 TP10 TP11 TP12 TP13 TP14 TP15 TP16 TP17 TP18 TP19 TP20 TP21 TP22 TP23 TP24 TP25 TP26 TP27 TP28 TP29 TP30 TP31 TP32 TP33 TP34 TP35 TP36 TP37 TP38 TP39 TP40 TP41 TP42 TP43 TP44 TP45 TP46 TP47 TP48 TP49 TP50 TP51 TP52 TP53 TP54 TP55 TP56 TP57 TP58 TP59 TP60 TP61 TP62 TP63 TP64 TP65 TP66 TP67 TP68 TP69 TP70 TP71 TP72 TP73 TP74 TP75 TP76 TP77 TP78 TP79 TP80 TP81 TP82 TP83 TP84 TP85 TP86 TP87 TP88 TP89 TP90 TP91 TP92 TP93 TP94 TP95 TP96 TP97 TP98 TP99 TP100 TP101 TP102 TP103 TP104 TP105: library part TP_PCB?, "Test_Point"
U1 U2 U5: "Pulse-Width-Modulation Control Circuit with Voltage Control, 45 % Duty Cycle, -40 to +85 degC, 16-pin SOIC (D), Green (RoHS & no Sb/Br)", Frequency(Max)(kHz)=300, Manufacturer="Texas Instruments", Rating=Military, Code_JEDEC=MS-012AC, ComponentLink1Description=Datasheet, ComponentLink1URL=http://www.ti.com/general/docs/lit/getliterature.tsp?genericPartNumber=TL494&fileType=pdf, Control Method=Voltage, DatasheetVersion=SLVS074E, Duty Cycle(Max)(%)=45, Eco-Plan="Green (RoHS & no Sb/Br)", Mounting Technology="Surface Mount", PackageDescription="16-Pin Plastic Small Outline Integrated Circuit, 9.9 x 3.9 mm, Pitch 1.27 mm Pitch", PackageReference=D16, PackageVersion="revM, Jun-2011", PartNumber=TL494ID, Regulated Outputs(#)=2, SubFamily="PWM Controller", Topology="Boost, Buck, Flyback, Forward, Full-Bridge, Half-Bridge, Push-Pull"
U4: library part LM2576D2T-005G
U6 U7 U8 U9 U10 U11 U16 U17 U18 U19 U20 U21: "IC VREF SHUNT ADJ SOT23-3", Current - Cathode=600µA, Current - Output=100mA, Digikey Part Number=1727-4259-1-ND, Manufacturer=Nexperia, Mouser Part Number=771-TL431AQDBZR215, Operating Temperature="-40°C ~ 125°C", Package="TO-236-3, SC-59, SOT-23-3", Part Number=TL431AQDBZR,215, Standard Package=1, Temperature="-40°C to +125°C", Temperature Range High=+125°C, Temperature Range Low=-40°C, Tolerance=±1%, Voltage - Input="2.495 V ~ 36 V", ComponentLink1Description=Upverter, ComponentLink1URL=https://upverter.com/upn/revision/897efb4cb52176e6/, ComponentLink2Description=Datasheet, ComponentLink2URL=http://assets.nexperia.com/documents/data-sheet/TL431_FAM.pdf, Digikey Description="IC VREF SHUNT ADJ SOT23-3", helpURL=https://upverter.com/upn/revision/897efb4cb52176e6/, Lead Free=yes, Mounting Type="Surface Mount", Number of Channels=1, Other Names=568-4890-6, Packaging=Digi-Reel®, Price=0.155797334872, Reference Type="Shunt, Adjustable, Precision", RoHS=TRUE, Supplier 1=Digi-Key, Supplier 2=Mouser, Supplier Part Number 1=1727-4259-1-ND, Supplier Part Number 2=771-TL431AQDBZR215, Voltage - Output="2.495 V ~ 36 V"
Z1: "Zener Diode", Manufacturer_Name=onsemi, Mouser Part Number=863-MM3Z5V1ST1G, Arrow Part Number=MM3Z5V1ST1G, Arrow Price/Stock=https://www.arrow.com/en/products/mm3z5v1st1g/on-semiconductor?region=nac, Datasheet Link=http://www.onsemi.com/pub/Collateral/MM3Z2V4ST1-D.PDF, Height=1.1mm, Manufacturer_Part_Number=MM3Z5V1ST1G, Mouser Price/Stock=https://www.mouser.co.uk/ProductDetail/onsemi/MM3Z5V1ST1G?qs=HVbQlW5zcXXFXX%2FQxsNWFg%3D%3D